# Altium PCB LED_MainBorad.PcbDoc (continued)
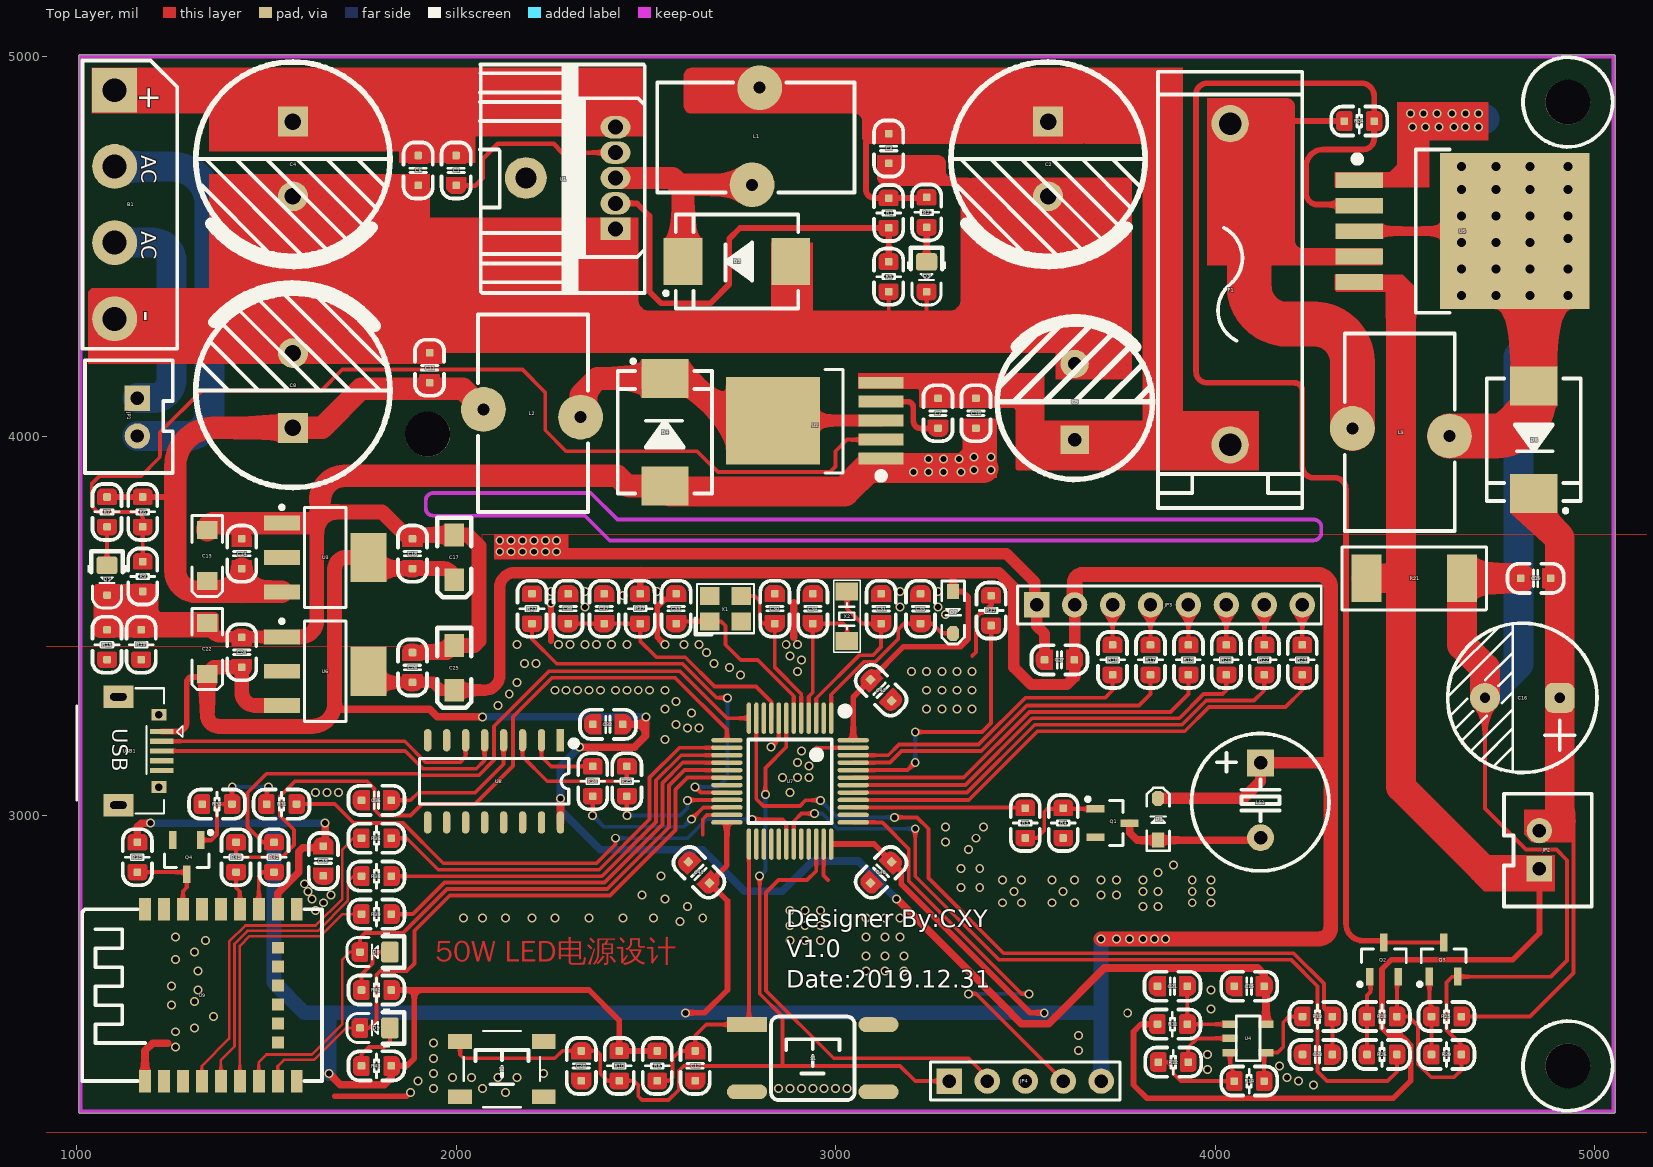
[diagram p0: Top Layer view]
## Nets (pads, with @x,y where several pads share a name; then routed paths per layer and width w, separated by ;. In a path a pad name is that pad's centre, name@x,y a point inside that pad or via, vN(x,y) a via of type N, cw(c..) or ccw(c..) an arc to the next point about the centre after c; other vN are vias at no path point)
AC_24V_L: B1.AC1 JP1.1 | length 606.9
  Bottom Layer w78.74: B1.AC1 1200.39,4509.61 cw(c1200.39,4460) 1250,4460 1250,4150 cw(c1200,4150) 1200,4100 JP1.1
AC_24V_N: B1.AC2 JP1.2 | length 1081.7
  Bottom Layer w78.74: B1.AC2 1100,4710 1250,4710 cw(c1250,4610) 1350,4610 1350,4060 cw(c1290,4060) 1290,4000 JP1.2
BEEP: R3.1 U7.39 | length 457
  Top Layer w10: U7.39 3491.73,3021.1 3500,3029.37
BLE_DATA: D9.2 U7.18 U9.8 | length 1721.2
  Top Layer w7: U9.8 1530,2340 1546,2356 1625.8,2356 1709.8,2440 D9.2
  Top Layer w10: D9.2 1770,2440 1790,2460 1790,2580 1800,2590 1870,2590 1890,2610 1890,2695.96 1983.04,2789 2405.17,2789 2578,2961.83 2578,3068 2609.84,3099.84 U7.18
BLE_DISC_Control: R39.1 U7.16 | length 1113.9
  Top Layer w10: R39.1 1885.96,2740 1968.96,2823 2391.08,2823 2544,2975.92 2544,3085.72 2597.49,3139.21 U7.16
BLE_LINK: D8.2 U7.17 U9.7 | length 1787.7
  Top Layer w7: U9.7 1480,2350 1500,2370 1620,2370 1700,2450 1700,2620 1720,2640 D8.2
  Top Layer w10: D8.2 1746.68,2676.68 1760,2690 1860,2690 1976,2806 2398.12,2806 2561,2968.88 2561,3078.68 2601.85,3119.53 U7.17
BLE_MODE_Control: R36.1 U7.14 | length 1116.1
  Top Layer w10: R36.1 1870,2940 1953,2857 2377,2857 2510,2990 2510,3099.8 2588.78,3178.58 U7.14
BLE_RST: Q4.3 R30.2 U9.22 | length 228.7
  Top Layer w10: R30.2@1160,2850.63 1284.37,2850.63 Q4.3 1290,2810 1280,2800 U9.22
BLE_RST_Control: R31.1 U7.30 | length 1472.3
  Top Layer w10: R31.1 1680,3030 1730,2980 1860,2980 1966,2874 2369.96,2874 2420,2924.04 v1(2420,2940) ; v1(2780,2990) 2860,2990 2870.16,2979.84 U7.30
  Bottom Layer w10: v1(2420,2940) 2610,2940 2660,2990 v1(2780,2990)
BLE_WKP_Control: R38.1 U7.15 | length 1080.6
  Top Layer w10: R38.1 2384.04,2840 2527,2982.96 2527,3092.76 2593.14,3158.9 U7.15
Blue_RXD_PA2: R41.2 U7.12 | length 1737.8
  Top Layer w10: R41.2@1520,2929.37 1490.63,2929.37 1450,2970 1450,3060 1500,3110 1901.92,3110 1905.92,3106 2060.04,3106 2100,3145.96 2100,3235 2245,3380 2590,3380 2713.58,3256.42 U7.12
Blue_TXD_PA3: R40.2 U7.13 | length 1919
  Top Layer w10: R40.2@1420,2929.37 1420,2900 1430,2890 1540.98,2890 1557.59,2906.61 1557.59,2907.59 1572.5,2922.5 1572.5,2962.5 1535,3000 1535,3050 1575,3090 1765,3090 1785,3070 1785,3015 1800,3000 1880,3000 1910,3030 2050,3030 2150,3130 2150,3260 2253,3363 2577,3363 2713.58,3226.42 U7.13
D_GND: C12.2 C15.2 C20.1 C21.2 C23.2 C27.2 C30.1 C31.2 C32.2 C33.1 C34.2 C35.2 C36.2 C37.1 C38.1 C39.1 C40.1 C41.1 C42.1 JP3.1 JP4.3 Q1.2 Q4.2 R4.2 R12.2 R15.2 R19.2 R27.2 R32.1 R33.2 S1.2 S2.2 U4.2 U7.8 U7.23 U7.35 U7.47 U8.1 U9.1 U9.9 U9.16 U9.23 USB1.4 USB1.5 | length 2873.8
  Top Layer w10: 2650,2950 2650,2990 2661.42,3001.42 U7.23 ; v1(2830,3180) 2850.47,3200.47 U7.8 ; 2950,3180 2951.42,3178.58 U7.47 ; U7.35 2968.58,2841.42 2980,2830 ; 3360,3420 3370,3430 3370,3520.98 3382.32,3533.3 3387.5,3533.3 3410,3555.8 ; R12.2@3929.37,2350 3929.37,2389.37 3952.6,2412.6 U4.2
  Top Layer w15: 1680,2260 1870,2260 ; 2250,3460 v1(2250,3560) ; v1(2550,3450) 2530,3470 2530,3550 2550,3570 ; 3410,3555.8 R32.1
  Top Layer w20: U9.1 1180,2380 1200,2400 1240,2400 ; 2890,3470 2890,3560
  Top Layer w30: 2295,3690 3450,3690 3525,3615 3525,3560 JP3.1 3530,3500 3550.63,3479.37 C27.2@3550.63,3410
  other v1: 1880,2270 2130,2270 1940,2280 2070,2280 2850,2280 2880,2280 2910,2280 2940,2280 2970,2280 3000,2280 3030,2280 4260,2290 1900,2300 4220,2300 1990,2310 2040,2310 2110,2310 2160,2310 4190,2310 1940,2320 2230,2320 3980,2330 4170,2340 1940,2360 3980,2370 3640,2380 1260,2390 1940,2400 3640,2420 1260,2430 1310,2440 1360,2470 3770,2480 3990,2490 1250,2500 1310,2510 1320,2540 3990,2540 1250,2550 1320,2590 3080,2590 3130,2590 3180,2590 1260,2620 3080,2630 3130,2630 3180,2630 1310,2640 1340,2670 2880,2670 2920,2670 2960,2670 1260,2680 3080,2680 3130,2680 3170,2680 2880,2710 2920,2710 2960,2710 2590,2720 2020,2730 2070,2730 2130,2730 2200,2730 2260,2730 2350,2730 2440,2730 2520,2730 2650,2730 3080,2730 3130,2730 3170,2730 1630,2750 2880,2750 2920,2750 2960,2750 2610,2760 3810,2760 3850,2760 1650,2770 3440,2770 3490,2770 3570,2770 3630,2770 3940,2770 3990,2770 1620,2780 2550,2780 1670,2790 2490,2790 3700,2790 3740,2790 1610,2800 3470,2800 3600,2800 3810,2800 3850,2800 3940,2800 3990,2800 3330,2810 3380,2810 1600,2820 3440,2830 3490,2830 3570,2830 3630,2830 3700,2830 3740,2830 3810,2830 3940,2830 3990,2830 2540,2840 3850,2850 3330,2860 3380,2860 3890,2870 3350,2910 3290,2930 3370,2940 3290,2970 3390,2970 1630,3060 1660,3060 1690,3060 2880,3060 2860,3100 2900,3100 2930,3100 2930,3130 2900,3140 2910,3170 2550,3200 2610,3230 2640,3230 2580,3240 2620,3270 2550,3280 3240,3280 3280,3280 3320,3280 3360,3280 2110,3290 2580,3300 2140,3320 2260,3330 2290,3330 2320,3330 2350,3330 2380,3330 2420,3330 2450,3330 2480,3330 2510,3330 2550,3330 3240,3330 3280,3330 3320,3330 3360,3330 2160,3350 2750,3370 2900,3380 3200,3380 3240,3380 3280,3380 3320,3380 3360,3380 2720,3390 2180,3400 2210,3400 2680,3400 2910,3410 2880,3420 2660,3430 2160,3450 2270,3450 2300,3450 2340,3450 2370,3450 2410,3450 2450,3450 2600,3450 2640,3450 2870,3450 2900,3450 3290,3530 2340,3550 3170,3550 3270,3550 2440,3580 2250,3590 2340,3590 2530,3590 3170,3590 3270,3590 2115,3695 2145,3695 2175,3695 2205,3695 2235,3695 2265,3695 2115,3725 2145,3725 2175,3725 2205,3725 2235,3725 2265,3725
DC_12V: C8.1 C11.2 C13.1 C14.2 L2.1 R6.2 R7.1 U3.3 | length 1768.3
  Top Layer w15: R7.1 1170,3839.37 1254.37,3839.37 ccw(c1254.37,3845) 1260,3845
  Top Layer w59.06: C14.2@1435,3650.63 1435,3589.45 ; U3.3 1435,3589.45 ; L2.1 2017.05,4125 1750,4125 1646.57,4021.57 C8.1 1360,4021.57 ccw(c1360,3921.57) 1260,3921.57 1260,3845 1260,3645 ccw(c1315.55,3645) 1315.55,3589.45 1435,3589.45
DC_24V: C2.1 C3.2 C7.2 C9.1 C10.2 F1.1 L1.1 R1.2 R2.1 U2.5 | length 339.5
  Top Layer w15: 3090,4810 ccw(c3090,4800) 3080,4800 3080,4650 ccw(c3102.91,4650) 3102.91,4627.09 3140,4627.09 3238.35,4627.09 R2.1
FB: JP2.1 R11.1 R21.2 U5.5 | length 3608.7
  Top Layer w15: R11.1 3805,2450 3785,2430 3785,2290 3820,2255 4470,2255 4515.52,2300.52 4515.52,2394.68 4500.11,2410.09 4499.91,2410.09 4490,2420 4460,2420 4440,2440 4440,2595 4465,2620 4785,2620 4855,2690 JP2.1
  Top Layer w78.74: R21.2 4465,3625 4490,3650 ; 4490,4335 4490,3650 ; 4705,2860 4490,3075 4490,3650
GND: B1.DC- C2.2 C3.1 C4.2 C6.1 C8.2 C9.2 C10.1 C11.1 C13.2 C14.1 C16.2 C17.2 C18.1 C19.1 C22.2 C24.1 C25.2 C26.1 D2.1 D3.2 D4.1 D5.2 Q2.2 Q3.2 R5.1 R9.1 R15.1 R19.1 R21.1 R28.2 R29.1 U1.1 U2.1 U3.1 U5.1 U6.1 | length 7320
  Top Layer w10: R5.1 3140,4290 ccw(c3150,4290) 3150,4280 ; 3240,4290 D3.2 ; Q2.2 4479.37,2571.97 4479.37,2470 4510,2470 4535.02,2444.98 4535.02,2344.98 4570,2310 4630,2310 4649.37,2329.37 R29.1 4649.37,2395.63 4610,2435 4610,2560 4625.19,2575.19 Q3.2 4885.19,2575.19 4928,2618 4928,2882 4900,2910 4820,2910 4711.57,3018.43 C16.2
  Top Layer w30: C22.2 ccw(c1380.57,3506.93) 1380.57,3470.55 U6.1 1590,3470.55
  Top Layer w39.37: 1590,3470.55 ccw(c1590,3513.27) 1632.72,3513.27 1632.72,3800 ; 1641.37,3830.11 ccw(c1641.37,3821.47) 1632.72,3821.47 1632.72,3800 ; C26.1 1976.31,3429.37 C25.2 2048.06,3448.06 2060,3460 2060,3710 2031,3739 C17.2 1874,3739 1870,3735 1805,3800 1632.72,3800
  Top Layer w59.06: C13.2 cw(c1362.82,3751.93) 1362.82,3770.55 U3.1 1620,3770.55 ; 1641.37,3830.11 cw(c1706.25,3830.11) 1706.25,3895 2425,3895 2451.73,3868.27 D4.1
  Top Layer w78.74: D4.1 2564.64,3853.63 3023.63,3853.63 3085,3915 3390,3915 ; C16.2 4711.57,3388.43 4650.98,3449.02 R21.1 C19.1
  Bottom Layer w78.74: 4520,4835 4710,4835 ; C16.2 4800,3398.43 4800,4210
  other v1: 3205,3905 3245,3905 3285,3905 3330,3905 3365,3910 3410,3910 3245,3940 3285,3940 3325,3940 3365,3945 3410,3945 4520,4815 4555,4815 4590,4815 4630,4815 4660,4815 4695,4815 4515,4850 4550,4850 4585,4850 4625,4850 4660,4850 4695,4850
LED_ADC1: C23.1 R13.1 U7.11 | length 2195
  Top Layer w10: U7.11 2791.19,3256.19 2791.19,3043.81 2810,3025 2905.96,3025 2920.96,3040 v1(2960,3040) ; v1(3155,2995) 3215,2995 3245,2965 3245,2835 3443,2637 4207.04,2637 4287,2557.04 4287,2492.37 R13.1 C23.1
  Bottom Layer w10: v1(2960,3040) 3005,2995 v1(3155,2995)
LED_EN_Control: R26.1 U7.31 | length 2210.9
  Top Layer w10: U7.31 2889.84,2984.84 2910,3005 v1(2945,3005) ; v1(3210,2965) 3210,2840 3430,2620 3625.96,2620 4200,2620 4270,2550 4270,2325 4295,2300 4455,2300 4479.37,2324.37 R26.1
  Bottom Layer w10: v1(2945,3005) 2965,3005 3005,2965 v1(3210,2965)
LED_OUT: C16.1 C19.2 D6.2 JP2.2 R25.2 | length 1650
  Top Layer w10: R25.2@4649.37,2470 4830,2470 4945,2585 4945,2976.85 4908.43,3013.43
  Top Layer w78.74: D6.2 4840,3800 4908.43,3731.57 C16.1 4908.43,3013.43
MCU_3.3V: C25.1 C26.2 C27.1 C39.2 C40.2 C41.2 C42.2 D1.2 D7.1 JP3.2 JP4.5 LS1.1 R8.2 R10.2 R30.1 R37.2 R42.1 R43.1 U6.4 U7.24 U7.36 U7.48 U9.17 | length 12991.5
  Top Layer w15: R43.1 1870,2340 1890,2360 1890,2540 ; R42.1 1890,2540 ; R37.2@2485,3584.37 2485,3640 ; R8.2@2530,2379.37 2430,2379.37 2430,2460 2350,2540 1890,2540 ; v1(2605,2480) 2655,2480 2715,2540 2715,2775 2667.84,2822.16 2713.58,2867.91 U7.24@2713.58,2981.01 ; 2995,2924.58 3101.09,2924.58 3147.84,2877.84 3173.5,2852.18 3173.5,2818.92 3512.42,2480 v1(3550,2480) ; U7.48@3046.42,3200 3046.42,3312.09 3092.16,3357.84 3179.32,3445 3330,3445 3350,3465 3350,3575 3334.88,3590.12 D7.1 3310,3640 ; 4293.43,3138.43 4305,3150
  Top Layer w20: R30.1 1160,2970 1170,2980 v1(1195,2980) ; U9.17 1530,2795 1585,2850 1585,2903.89 1596.11,2915 1645.63,2915 1650,2919.37 1655,2924.37 v1(1655,2980) ; v1(1665,2320) 1695,2290 1810,2290 1829.37,2309.37 R43.1
  Top Layer w30: U6.4 1798.54,3350.63 1885,3350.63 1939.37,3350.63 1959.94,3330.06 C25.1 2075.06,3330.06 ccw(c2075.06,3370) 2115,3370 2115,3600 cw(c2155,3600) 2155,3640 2485,3640 3310,3640 3430,3640 3470,3600 3470,3390 3515,3345 3610,3345 3630,3365 JP3.2 ; D1.2 4075.12,3045.12 4120,3090 LS1.1 4293.43,3138.43
  Top Layer w39.37: JP3.2 3630,3615 cw(c3650,3615) 3650,3635 4270,3635 cw(c4270,3600) 4305,3600 4305,3150 4305,2705 cw(c4275,2705) 4275,2675 v1(3700,2675)
  Bottom Layer w20: v1(1195,2980) 1520,2980 v1(1655,2980)
  Bottom Layer w39.37: 1520,2980 1520,2560 1600,2480 v1(2605,2480) 3695,2480 3700,2475 ; v1(1665,2320) 1665,2480 ; JP4.5 3700,2475 ; v1(3870,2675) v1(3700,2675) 3700,2475
  other v1: 3740,2675 3775,2675 3810,2675 3840,2675
MCU_RST: C20.2 JP4.1 R10.1 S2.1 U7.7 | length 2486.7
  Top Layer w10: S2.1 2010.5,2369.5 2020,2360 2260,2360 2280,2380 C20.2@2330.63,2380 ; C20.2@2330,2379.37 C20.2@2330.63,2380 ; v1(2800,2840) 2800,2530 2860,2470 2860,2345 ; v1(2815,3055) 2815,3125 2870.16,3180.16 U7.7 ; JP4.1 3210,2300 3170,2340 2600,2340 2587,2327 2587,2277 2560,2250 2490,2250 2480,2260 2480,2290 2469.37,2300.63 R10.1 2399.37,2300.63 2380,2320 2380,2370 2370,2380 C20.2@2330.63,2380
  Bottom Layer w10: v1(2800,2840) 2815,2855 v1(2815,3055)
NetC1_1: C1.1 U1.4 | length 524.4
  Top Layer w12: 1980,4660 2050,4660 2070,4680 2070,4730 2110,4770 2257,4770 2280.07,4746.93 U1.4
NetC7_1: C7.1 U2.4 | length 206.1
  Top Layer w15: U2.4 3189.55,4090.45 cw(c3189.55,4075) 3205,4075 3205,4040 ccw(c3225,4040) 3225,4020 3270,4020 C7.1
NetC21_1: C21.1 R11.2 U4.1 | length 212.9
  Top Layer w10: C21.1 3927.09,2450 U4.1
NetC30_2: C30.2 U7.5 X1.3 | length 430.5
  Top Layer w10: X1.3 2786.54,3578.46 2800,3565 2800,3515 2809.37,3505.63 2829.37,3505.63 2840,3495 ; C30.2@2840,3505.63 2840,3495 ; U7.5 2909.53,3320.47 2840,3390 2840,3495
NetC31_1: C31.1 U7.3 X2.2 | length 492.4
  Top Layer w10: U7.3 2948.9,3308.9 3062,3422 3097.96,3422 3120,3444.04 C31.1 3069.37,3505.63 3030,3545 X2.2
NetC33_2: C33.2 U7.6 X1.1 | length 479.2
  Top Layer w10: C33.2@2580,3511.54 X1.1 2698.46,3511.54 2710,3500 2710,3450 2750,3410 2795,3410 2889.84,3315.16 U7.6
NetC34_1: C34.1 U7.4 X2.1 | length 383
  Top Layer w10: U7.4 2929.21,3313.25 2940,3324.04 C34.1 3019.37,3505.63 3030,3495 X2.1
NetC35_1: C35.1 D7.2 U7.1 | length 486.5
  Top Layer w10: U7.1 2988.27,3318.27 3075,3405 3105,3405 3165,3465 3165,3490 3180.63,3505.63 C35.1 3254.37,3505.63 3280.12,3479.88 D7.2
NetC36_1: C36.1 U8.4 | length 398.3
  Top Layer w10: C36.1 1880,3040 1900,3060 2050,3060 2125,3135 U8.4
NetC37_2: C37.2 C38.2 R37.1 U7.9 | length 690.8
  Top Layer w10: C38.2@2295,3505.63 2390,3505.63 R37.1 2485,3460 2528,3417 2603.96,3417 2680.96,3340 2790,3340 2830.79,3299.21 U7.9
NetD1_1: D1.1 LS1.2 Q1.3 | length 381.1
  Top Layer w20: Q1.3 3775,2955 3795.12,2934.88 D1.1 4113.31,2934.88 LS1.2
NetD2_2: D2.2 L1.2 U1.3 | length 573.8
  Top Layer w59.06: U1.3 2570,4680 2587.95,4662.05 ; D2.2 2598.27,4651.73 2587.95,4662.05 ; L1.2 2587.95,4662.05
NetD3_1: D3.1 R2.2 | length 91.3
  Top Layer w15: D3.1 R2.2@3240,4550
NetD4_2: D4.2 L2.2 U2.3 | length 914.4
  Top Layer w30: U2.3@2835,4040 2835.45,4040.45 U2.3@3119.77,4040.45
  Top Layer w59.06: L2.2 2327.95,4107.95 2371.73,4151.73 D4.2 2608.27,4151.73 2720,4040 U2.3@2835,4040
NetD5_1: D5.1 R7.2 | length 101.3
  Top Layer w10: D5.1 R7.2@1080,3760.63
NetD6_1: D6.1 L3.1 U5.3 | length 1157.7
  Top Layer w25: U5.3@4380,4540 U5.3@4790,4540
  Top Layer w118.11: L3.1 4740,4000 ccw(c4740,4100) 4840,4100 D6.1 4840,4490 ccw(c4790,4490) U5.3@4790,4540
  other v2: 4650,4370 4740,4370 4830,4370 4930,4370 4650,4440 4740,4440 4830,4440 4930,4440 4650,4510 4740,4510 4830,4510 4930,4520 4650,4580 4740,4580 4830,4580 4930,4580 4650,4650 4740,4650 4830,4650 4930,4650 4650,4710 4740,4710 4830,4710 4930,4710
NetD8_1: D8.1 R42.2 | length 151.7
  Top Layer w10: R42.2@1750.63,2540 1750.63,2580.63 1780,2610 1780,2630 1790,2640 D8.1
NetD9_1: D9.1 R43.2 | length 154.4
  Top Layer w10: R43.2@1750.63,2340 1750.63,2370.63 1770,2390 1810,2390 1825.42,2405.42 D9.1
NetF1_2: F1.2 L3.2 R24.2 U5.4 | length 906.8
  Top Layer w15: 4150,4830 R24.2@4340.63,4830
  Top Layer w118.11: 4090,4550 4090,4395 ccw(c4190,4395) 4190,4295 4262.05,4295 cw(c4262.05,4195) 4362.05,4195 L3.2
NetJP3_3: JP3.3 R16.2 | length 105.6
  Top Layer w10: R16.2@3730,3449.37 JP3.3
NetJP3_4: JP3.4 R17.2 | length 105.6
  Top Layer w10: R17.2@3830,3449.37 JP3.4
NetJP3_5: JP3.5 R18.2 | length 105.6
  Top Layer w10: R18.2@3930,3449.37 JP3.5
NetJP3_6: JP3.6 R20.2 | length 105.6
  Top Layer w10: R20.2@4030,3449.37 JP3.6
NetJP3_7: JP3.7 R22.2 | length 105.6
  Top Layer w10: R22.2@4130,3449.37 JP3.7
NetJP3_8: JP3.8 R23.2 | length 105.6
  Top Layer w10: R23.2@4230,3449.37 JP3.8
NetQ1_1: Q1.1 R3.2 R4.1 | length 247.7
  Top Layer w10: R3.2@3500,2940.63 3530.63,2940.63 3550,2960 3550,3010 3559.37,3019.37 3561.34,3017.4 Q1.1
NetQ2_1: Q2.1 R26.2 R28.1 | length 210.1
  Top Layer w10: R26.2@4400.63,2370 R28.1 4400.63,2525.63 4410,2535 4410,2572.62 Q2.1@4407.43,2575.19
NetQ2_3: Q2.3 Q3.3 R24.1 U5.2 | length 3887
  Top Layer w10: Q2.3@4445,2665.19 Q3.3
  Top Layer w15: U5.2 ccw(c4376.93,4606.93) 4376.93,4610 4270,4610 cw(c4270,4640) 4240,4640 4240,4710 cw(c4285,4710) 4285,4755 4390,4755 ccw(c4390,4784.37) 4419.37,4784.37 R24.1 4419.37,4895.63 ccw(c4385,4895.63) 4385,4930 3980,4930 ccw(c3980,4900) 3950,4900 3950,4170 ccw(c3980,4170) 3980,4140 4210,4140 cw(c4210,4120) 4230,4120 4230,3920 ccw(c4260,3920) 4260,3890 4315,3890 cw(c4315,3860) 4327.93,3887.07 cw(c4315,3860) 4342.07,3872.93 cw(c4315,3860) 4345,3860 4345,2715 ccw(c4390,2715) 4390,2670 4440,2670 cw(c4440,2665) 4445,2665.19 cw(c4440,2665) Q2.3
NetQ3_1: Q3.1 R25.1 R29.2 | length 209.5
  Top Layer w10: Q3.1 4565.23,2503.45 4573.09,2495.59 4573.09,2472.46 R25.1 R29.2@4570.63,2370
NetQ4_1: Q4.1 R31.2 R33.1 | length 349.4
  Top Layer w10: Q4.1 1355,2935 1370,2950 1370,3020 1380,3030 R33.1 1409.37,3074.37 v1(1410,3075) ; R31.2@1500.63,3030 1500.63,3070.63 v1(1505,3075)
  Bottom Layer w10: v1(1410,3075) v1(1505,3075)
NetR1_1: R1.1 R5.2 U1.2 | length 1187.5
  Top Layer w15: U1.2 2476.93,4613.07 2510,4580 2510,4380 2540,4350 2670,4350 2720,4400 2720,4520 2748.35,4548.35 R1.1 R5.2@3140,4459.4
NetR6_1: R6.1 R9.2 U2.2 | length 2794.3
  Top Layer w10: R9.2@1174.09,3669.09 R6.1 1174.09,3785.91 1160,3800 1055,3800 1040,3815 1040,3875 1060,3895 1170,3895 1219.07,3944.07 1219.07,3949.44 1220,3950.37 1220,4010 1330,4120 1645,4120 1700,4175 2175,4175 2235,4115 2235,4015 2290,3960 2635,3960 2690,3905 2985,3905 3000,3920 3000,3960 3030.45,3990.45 U2.2
NetR12_1: R12.1 R14.2 U4.3 | length 309.1
  Top Layer w10: R12.1 3875,2350 3890,2335 3890,2320 3910,2300 4050.63,2300 4050.63,2324.37 4040,2335 U4.3
NetR13_2: R13.2 R14.1 U4.4 | length 260.8
  Top Layer w10: R14.1@4129.37,2290 4129.37,2370.08 U4.4 4165.2,2375.2 4180,2390 4180,2455 4195,2470 R13.2@4230.63,2470
NetR27_1: R27.1 U7.20 | length 1014.8
  Top Layer w10: R27.1 2200,3465 2265,3400 2596.92,3400 2686.92,3310 v1(2715,3310) ; v1(2630,3075) 2644.53,3060.47 U7.20
  Bottom Layer w10: v1(2630,3075) 2690,3075 2715,3100 v1(2715,3310)
NetR32_2: R32.2 U7.44 | length 727.8
  Top Layer w10: U7.44 3189.53,3119.53 v1(3210,3140) ; v1(3210,3220) 3385.96,3220 3410,3244.04 3410,3495.63 R32.2@3400,3505.63
  Bottom Layer w10: v1(3210,3140) v1(3210,3220)
NetR34_2: R34.2 U8.2 | length 189
  Top Layer w10: U8.2 2225,3155 2250.63,3129.37 R34.2@2360,3129.37
NetR35_2: R35.2 U8.3 | length 378.8
  Top Layer w10: U8.3 2175,3155 2240,3090 2440,3090 2450,3100 R35.2@2450,3129.37
NetR36_2: R36.2 U9.4 | length 935
  Top Layer w7: U9.4 1330,2340 1402,2412 1402,2667.6 1444.4,2710 1630,2710 1700,2780 1700,2910 1730,2940 R36.2@1750.63,2940
NetR38_2: R38.2 U9.5 | length 814.6
  Top Layer w7: U9.5 1380,2355 1416,2391 1416,2661.8 1450.2,2696 1635.8,2696 1714,2774.2 1714,2824.53 1729.47,2840 R38.2@1750.63,2840
NetR39_2: R39.2 U9.6 | length 711.4
  Top Layer w7: U9.6 1430,2656 1456,2682 1642,2682 1700,2740 R39.2@1750.63,2740
NetR40_1: R40.1 U9.19 | length 102
  Top Layer w10: R40.1 1420,2810 1430,2800 U9.19
NetR41_1: R41.1 U9.18 | length 131.6
  Top Layer w10: U9.18 1480,2840 1490.63,2850.63 R41.1
OLED_CLK: R16.1 U7.46 | length 795.1
  Top Layer w10: U7.46 3138.9,3158.9 3167,3187 3377,3187 3500,3310 3710,3310 3730,3330 R16.1
OLED_CS1: R20.1 U7.42 | length 1127.7
  Top Layer w10: U7.42 3342.28,3080.16 3518.12,3256 3906,3256 3970,3320 4020,3320 4030,3330 R20.1
OLED_CS2: R23.1 U7.40 | length 1344
  Top Layer w10: U7.40 3351,3040.79 3532.21,3222 3920.08,3222 3984.08,3286 4186,3286 4230,3330 R23.1
OLED_DC: R18.1 U7.43 | length 1025.4
  Top Layer w10: U7.43 3337.93,3099.84 3511.08,3273 3883,3273 3930,3320 R18.1
OLED_FSO: R22.1 U7.41 | length 1235.9
  Top Layer w10: U7.41 3346.64,3060.47 3525.17,3239 3913.04,3239 3977.04,3303 4103,3303 4130,3330 R22.1
OLED_MOSI: R17.1 U7.45 | length 909.1
  Top Layer w10: U7.45 3143.25,3139.21 3174.04,3170 3384.04,3170 3504.04,3290 3800,3290 3830,3320 R17.1
SWCLK_PA14: JP4.4 U7.37 | length 1205.8
  Top Layer w10: U7.37 3123.27,2981.73 3193,2912 3193,2827 3490,2530 v1(3510,2530) ; v1(3350,2530) 3370,2530 JP4.4
  Bottom Layer w10: v1(3350,2530) v1(3510,2530)
SWDIO_PA13: JP4.2 U7.34 | length 1172.6
  Top Layer w10: U7.34 2948.9,2853.9 2925,2830 2850,2830 2817,2797 2817,2538 2995,2360 3350,2360 3400,2310 JP4.2
UD+: U8.5 USB1.3 | length 932.8
  Top Layer w10: USB1.3 1865.96,3170 1912.96,3123 2053,3123 2075,3145 U8.5
UD-: U8.6 USB1.2 | length 873.4
  Top Layer w10: USB1.2 1864.41,3195.59 1920,3140 2010,3140 2025,3155 U8.6
USART3_RXD_PB10: R35.1 U7.21 | length 342.8
  Top Layer w10: v1(2450,3000) R35.1 ; v1(2610,3040) 2610.79,3040.79 U7.21
  Bottom Layer w10: v1(2450,3000) 2590,3000 2610,3020 v1(2610,3040)
USART3_TXD_PB11: R34.1 U7.22 | length 437.8
  Top Layer w10: v1(2360,3000) R34.1 ; v1(2620,2990) 2651.1,3021.1 U7.22
  Bottom Layer w10: v1(2360,3000) 2390,2970 2600,2970 v1(2620,2990)
VCC_5V: C15.1 C17.1 C18.2 C22.1 C24.2 C32.1 U3.4 U4.5 U6.3 U8.16 USB1.1 | length 5494.5
  Top Layer w15: USB1.1 1266.18,3221.18 ccw(c1266.18,3245) 1290,3245 1290,3350 cw(c1305,3350) 1305,3365 1336.12,3365 ccw(c1336.12,3373.07) C22.1
  Top Layer w20: 1680,3295 1695,3280 1930,3280 1950,3260 v1(2070,3260) ; U8.16 v1(2275,3045) ; v1(2325,3180) 2470,3180 2500,3210 v1(2500,3260) ; C32.1 2500,3240 ; v1(3160,2780) 3160.74,2780 3440,2500.74 3485.37,2455.37 3489.56,2451.19 3561.93,2451.19 3578.81,2468.07 3578.81,2468.81 3708,2598 4112,2598 4129.37,2580.63 C15.1 4134.49,2544.88 U4.5
  Top Layer w39.37: U6.3 1540.83,3290 1470,3290 cw(c1470,3325) 1435,3325 1435,3390.63 1361.75,3390.63 C22.1 1344.19,3265.81 ccw(c1375,3265.81) 1375,3235 1620,3235 ccw(c1620,3295) 1680,3295 1680,3650 cw(c1710,3650) 1710,3680 U3.4 ccw(c1798.54,3680) 1798.54,3650.63 1885,3650.63 1965.37,3650.63 cw(c1965.37,3621) C17.1
  Bottom Layer w20: v1(2070,3260) v1(2500,3260) ; v1(2325,3180) 2275,3130 v1(2275,3045) 2275,3015 2380,2910 2650,2910 2760,2800 2860,2800 2940,2880 3060,2880 v1(3160,2780)
VIN: B1.DC+ C1.2 C4.1 C6.2 U1.5
WakeUp_KEY1_PA0: C12.1 R8.1 S1.1 U7.25 | length 829
  Top Layer w10: R8.1 2560.63,2300.63 2570,2310 2570,2360 2589.37,2379.37 C12.1 2630,2420 2659,2449 S1.1 2771.73,2453.96 U7.25
pads on no net: S1.3 S1.4 S2.3 S2.4 U1.13 U3.2 U6.2 U7.2 U7.10 U7.19 U7.26 U7.27 U7.28 U7.29 U7.32 U7.33 U7.38 U8.7 U8.8 U8.9 U8.10 U8.11 U8.12 U8.13 U8.14 U8.15 U9.2 U9.3 U9.10 U9.11 U9.12 U9.13 U9.14 U9.15 U9.20 U9.21 U9.24 X1.2 X1.4

## Polygon pours and split planes (outlines as drawn)
D_GND on Bottom Layer "NONET_L02_P006" (solid, remove dead copper, shelved, pour order 6): 1870.08,3740.16 5314.96,3740.16 5314.96,2263.78 5216.54,2165.35 984.25,2165.35 984.25,3444.88 1870.08,3444.88
GND on Bottom Layer "NONET_L02_P000" (solid, remove dead copper, shelved, pour order 0): 1010,5000 5045,5000 5050,4995 5050,3820 1010,3820
NetD6_1 on Bottom Layer "NONET_L02_P008" (solid, remove dead copper, shelved, pour order 8): 4590,4750 4990,4750 4990,4330 4590,4330
D_GND on Top Layer "NONET_L01_P004" (solid, remove dead copper, shelved, pour order 4): 2066.93,3740.16 2066.93,3444.88 885.83,3444.88 885.83,2165.35 5216.54,2165.35 5216.54,3740.16

## Keep-outs
Keep-Out Layer:
  lines w10: 1970,3790 1940,3790 ; 1940,3790 cw(c1940,3810) 1920,3810 1920,3830 cw(c1940,3830) 1940,3850 2355,3850 2425,3780 4235,3780 4260,3780 cw(c4260,3760) 4280,3760 4280,3745 cw(c4260,3745) 4260,3725 4235,3725 2405,3725 2340,3790 1940,3790 ; 1010,2220 1010,5000 5050,5000 5050,2220 1010,2220

## Other copper
Top Layer:
  region net DC_24V: 2600,4950 2600,4870 ccw(c2620,4870) 2620,4850 3050,4850 cw(c3050,4830) 3070,4830 3070,4790 ccw(c3090,4790) 3090,4770 3650,4770 ccw(c3650,4780) 3660,4780 3660,4960 ccw(c3650,4960) 3650,4970 2620,4970 ccw(c2620,4950)
  region net GND: 1970,4220 3660,4220 3660,4680 3360,4680 ccw(c3359.99,4650.01) 3330,4650 3330,4360 cw(c3300.01,4359.99) 3300,4330 2510,4330 cw(c2510,4360) 2480,4360 2480,4460 1970,4460
  region net GND: 3110,4740 3270,4740 cw(c3270,4720) 3290,4720 3290,4700 ccw(c3310,4700) 3310,4680 3350,4680 cw(c3350,4670) 3360,4670 cw(c3350,4670) 3350,4660 3130,4660 cw(c3130,4680) 3110,4680
  region net DC_24V: 3655.66,4968.48 cw(c3657.19,4968.48) 3657.19,4970 3915,4970 3915,4065 4115,4065 4115,3910 3809.51,3910 3809.51,4770 3660,4770 cw(c3660,4772.93) 3657.07,4772.93
  region net DC_24V: 3060,4125 3215,4125 cw(c3215,4120) 3220,4120 3220,4080 ccw(c3225,4080) 3225,4075 3465,4075 cw(c3465,4065) 3475,4065 3475,3915 ccw(c3480,3915) 3480,3910 3809.51,3910 3809.51,4040 3550,4040 3550,4165 3060,4165
  region net NetF1_2: 4440,4495 4230,4495 cw(c4230,4515) 4210,4515 4210,4870 ccw(c4190,4870) 4190,4890 3980,4890 3980,4450 4440,4450
  region net GND: 1056.54,3469.45 1359.45,3469.45 ccw(c1359.45,3485) 1375,3485 1375,3525 ccw(c1365,3525) 1365,3535 1225,3535 cw(c1225,3545) 1215,3545 1215,3605 ccw(c1210,3605) 1210,3610 1055,3610 ccw(c1055,3600) 1045,3600 1045,3480.99 ccw(c1055.85,3480.99) 1055.85,3470.14
  region net VIN: 1040,4970 1040,4850 1350,4850 1350,4750 1850,4750 1850,4720 2050,4720 2050,4790 2500,4790 2500,4900 2500,4970
  region net GND: 1030,4380 1040,4390 1350,4390 1350,4690 1930,4690 1930,4575 2480,4575 2480,4460 1970,4460 1970,4190 1030,4190
  region net GND: 2830,4510 2830,4320 2940,4320 2940,4510
  region net GND: 3660,4220 3660,4150 3780,4150 3780,4680 3660,4680
  region net FB: 4315,4425 4495,4425 4530,4390 4530,4310 4450,4310 4450,4380 4320,4380 4315,4385
  region net GND: 4315,4695 4460,4695 4480,4715 4480,4880 4720,4880 4720,4780 4565,4780 4565,4655 4315,4655
  region net GND: 3060,3955 3325,3955 3335,3965 3335,4045 3425,4045 3425,3890 3060,3890
  region net D_GND: 2295,3675 2100,3675 2100,3740 2295,3740
  region net LED_OUT: 4950,2930 4950,3010 4945,3015 4815,3015 4815,2950 4835,2930
  region net FB: 4695,2895 4655,2855 4710,2800 4895,2800 4895,2895
  pour cut-out: 1020,2790 1220,2790 1220,2230 1010,2230
  region net GND: 3740,4150 3580,4150 3580,4290
  text "50W LED电源设计" at 1945,2595 h98.43
Bottom Layer:
  pour cut-out: 1030,2790 1210,2790 1210,2230 1020,2230
  pour cut-out: 4530,4800 4590,4800 4590,4250 4530,4250
  pour cut-out: 4500,4270 4500,4330 5050,4330 5050,4270
  pour cut-out: 4500,4750 4500,4810 5050,4810 5050,4750

## Silkscreen, mask and mechanical layers (free items; w line width, h text height)
Top Overlay:
  circle w10: c4930,4880 r118.11
  circle w10: c4930,2340 r118.11
  text "Designer By:CXY" at 2870,2690 h78.74
  text "V1.0" at 2870,2610 h78.74
  text "Date:2019.12.31" at 2870,2530 h78.74
Top Solder:
  lines w59.06: 1100,4911.18 1321.18,4911.18 ; 1134.41,4305 1355.59,4305 ; 1449.41,4390 1670.59,4390 ; 1449.41,4915 1670.59,4915 ; 1784.41,4385 2005.59,4385 ; 1789.41,4485 2010.59,4485 ; 1794.41,4920 2015.59,4920 ; 2424.41,4280 2645.59,4280 ; 2759.41,4280 2980.59,4280 ; 2964.41,4925 3185.59,4925 ; 3084.41,4280 3305.59,4280 ; 3334.41,4925 3555.59,4925 ; 3469.41,4385 3690.59,4385 ; 3494.41,4280 3715.59,4280 ; 3549.41,3940 3770.59,3940 ; 3659.41,4920 3880.59,4920 ; 3865,4224.41 3865,4445.59 ; 3865,4569.41 3865,4790.59 ; 3870,3955 3870,4125.59 ; 4045,4499.41 4045,4720.59 ; 4135,4295 4275,4295 ; 4155,4504.41 4155,4725.59 ; 4360,4129.41 4360,4255 ; 4490,3139.41 4490,3490 ; 4490,4195 4490,4330.59 ; 4495,3800 4495,3900 ; 4531.8,3028.2 4688.2,2871.8 ; 4910,3050 4910,3290 ; 4910,3380 4910,3520
  text "50W LED电源设计" at 1945,2595 h98.43
Bottom Solder:
  region: 4600,4740 4980,4740 4980,4340 4600,4340
  lines w39.37: 1060,4180 1060,3930 ccw(c1110,3930) 1110,3880 1410,3880 ; 1390,3880 1690,3880 ccw(c1690,3930) 1740,3930 1740,4230 cw(c1790,4230) 1790,4280 3520,4280 ; 3480,4280 3510,4280 ccw(c3510,4330) 3560,4330 3560,4631.58
  lines w59.06: 1210,4505 cw(c1210,4465) 1250,4465 1250,4380 ; 1230,4705 1290,4705 cw(c1290,4655) 1340,4655 1340,4595 ; 1245,4000 1300,4000 ccw(c1300,4050) 1350,4050 1350,4260 ; 1250,4155 1250,4285 ; 1345,4350 1345,4505

## Text inside footprints (layer, text, board x,y; h text height)
B1: Top Overlay "AC" at 1170,4540 h39.37 r270; Top Overlay "AC" at 1170,4740 h39.37 r270; Top Overlay "-" at 1160,4330 h59.06 r270; Top Overlay "+" at 1165,4925 h59.06 r270
USB1: Top Overlay "USB" at 1094.17,3230 h40 r270